# Altium PCB Einsy_Rambo.PcbDoc (part 2 of 4)
Units mil, origin at the board's own origin, x right, y up, seen from the top; angles counter-clockwise.
Board outline 5506.78 x 2795 mil, 6 copper layers (Top, GND, Signal Layer 1, Supply, Signal Layer 2, Bottom), stack 61.838 mil thick; 339 components, 226 nets, 1200 pads, 793 vias.
Unrouted connection lines stored in the file: 98.
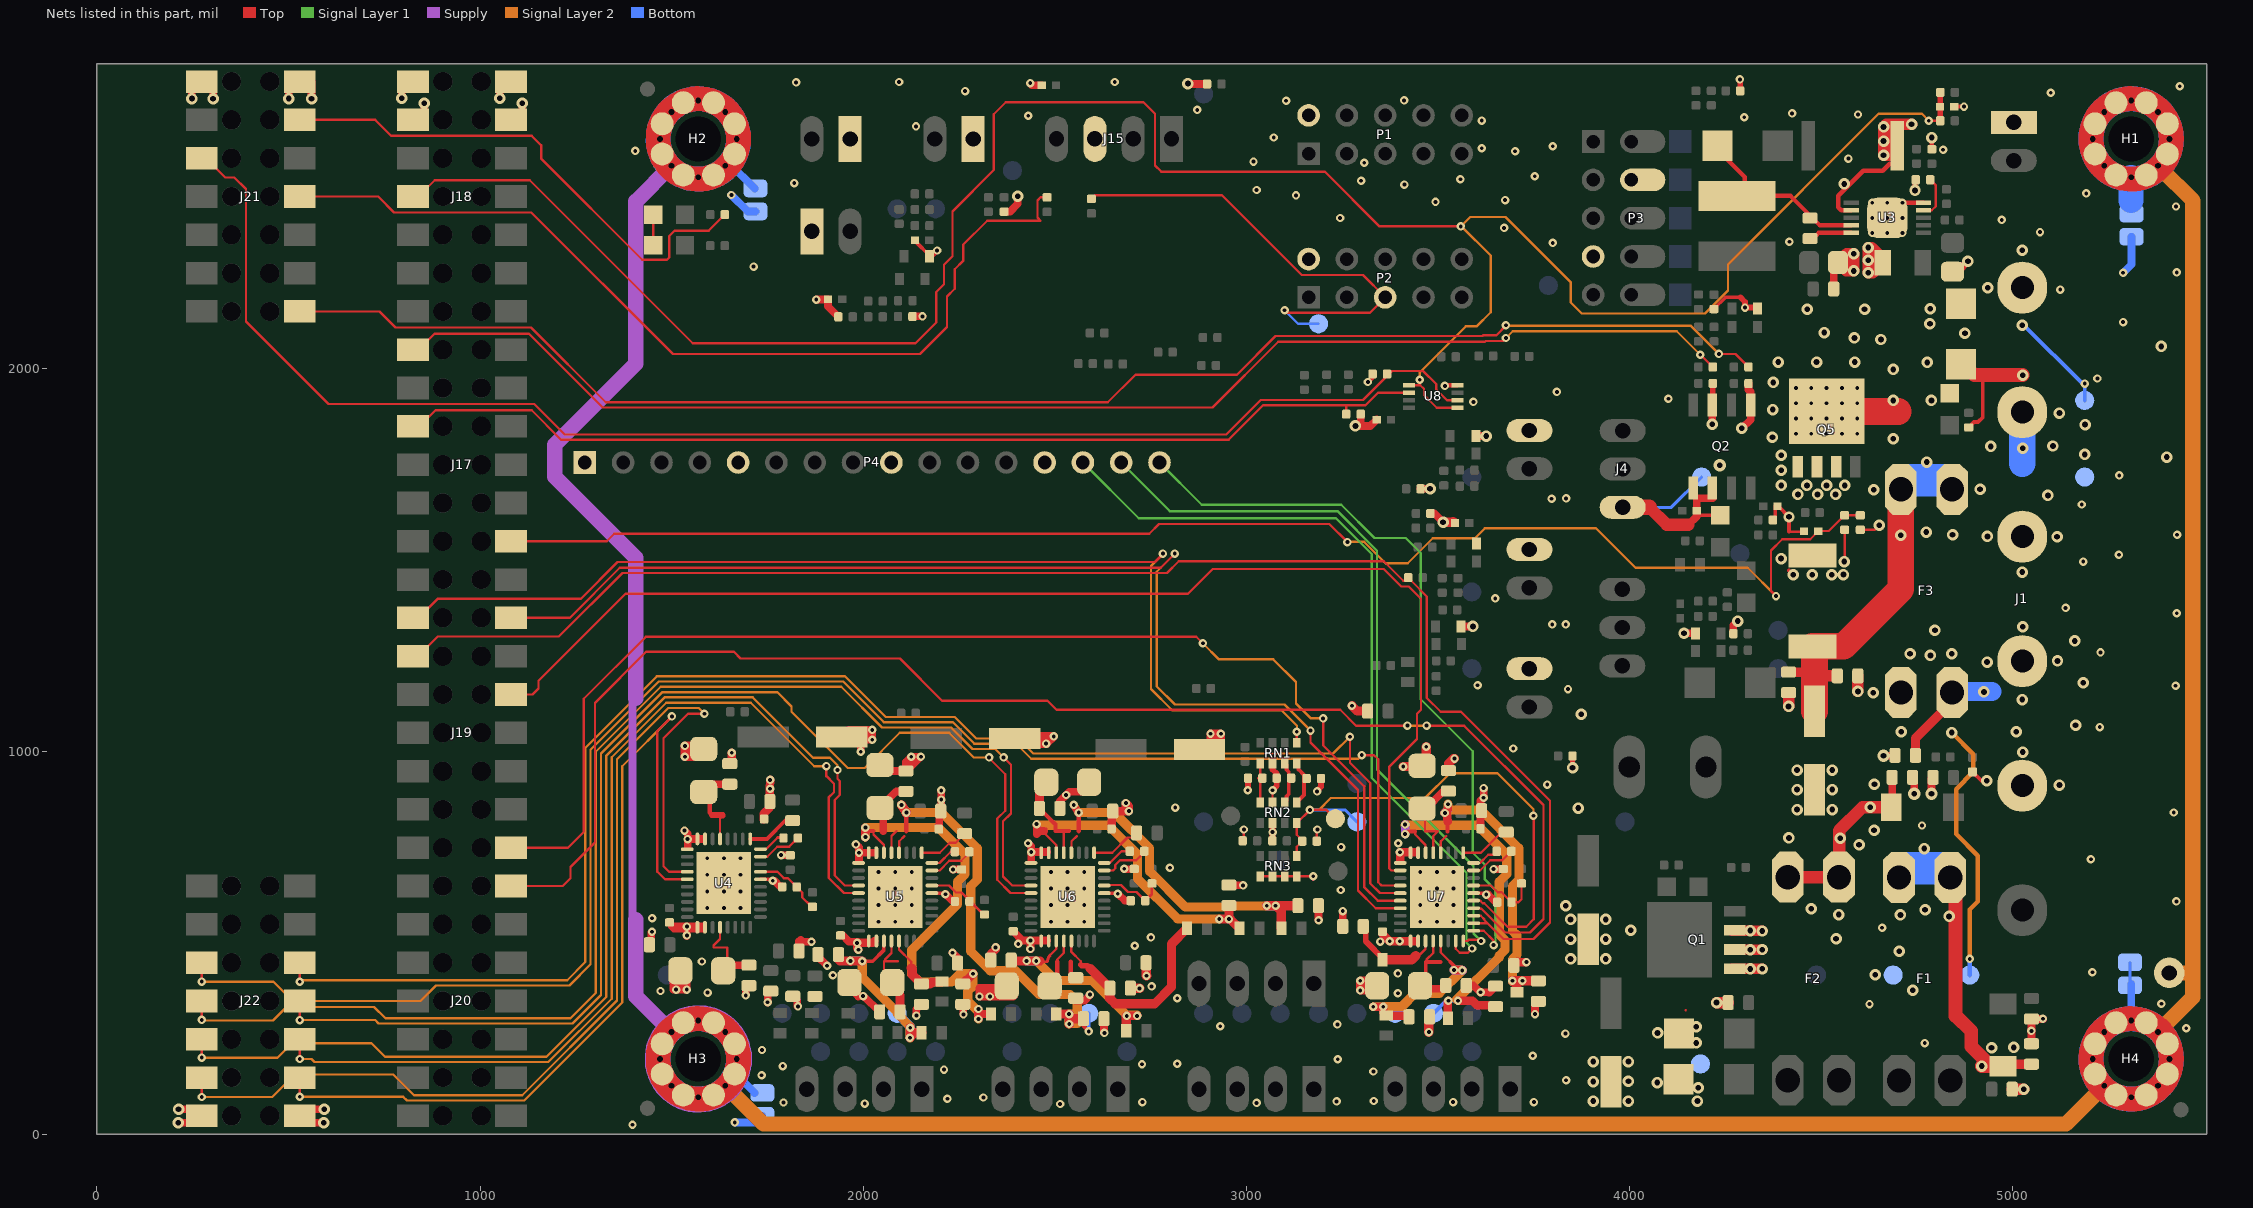
[diagram p6: the nets of this part, all layers, seen from the top]

## Via types
v1: diameter 22, hole 10, Top to Bottom, 296 vias
v2: diameter 22, hole 10, Top to Bottom, tented both sides, 255 vias
v3: diameter 30, hole 15, Top to Bottom, 204 vias
v4: diameter 30, hole 15, Top to Bottom, tented both sides, 30 vias
v5: diameter 32, hole 15, Top to Bottom, tented both sides, 4 vias
v6: diameter 29, hole 15, Top to Bottom, tented both sides, 4 vias

## Nets (pads, with @x,y where several pads share a name; then routed paths per layer and width w, separated by ;. In a path a pad name is that pad's centre, name@x,y a point inside that pad or via, vN(x,y) a via of type N, cw(c..) or ccw(c..) an arc to the next point about the centre after c; other vN are vias at no path point) (continued)
+12V3: C27.1 C62.1 C89.1 D7.C D10.C F3.2 J1.5 R55.2 R58.1 TP16.TP | length 1475.9
  Top w6: C62.1@4540.78,1194.77 C62.1@4543.01,1197 ; R55.2@4606.03,1578.25 4641.03,1578.25 v3(4652.78,1590)
  Top w10: R58.1@4886.03,1845.35 4899.93,1859.25 4910.03,1859.25 4922.53,1871.75 4922.53,1975.5 4929.03,1982
  Top w25: C89.1@4415.78,1206.77 4474.01,1206.77
  Top w30: 4483.78,1197 C62.1@4543.01,1197
  Top w36: D10.C@4866.03,2016.51 4900.54,1982 4929.03,1982 v3(5026.78,1982)
  Top w70: C27.1@4483.78,1104.36 4483.78,1197 4483.78,1268.41 D7.C@4478.11,1274.08 4558.86,1274.08 4708.78,1424 v3(4708.78,1564) F3.2@4708.78,1684 F3.2@4708.78,1686.51
  Bottom w70: 5025.78,1751 J1.5@5025.78,1885.5
  Bottom w85: F3.2@4732.39,1707.61 F3.2@4838.83,1707.61
  other v3: 4843.78,1565 4775.03,1572.25 5092.78,1668 4637.78,1683 4915.78,1684 4776.78,1755 5188.78,1775 5026.78,1791 4943.78,1796 5105.78,1797 5189.78,1853 5122.78,1883
ACTIVE: J21.11 R73.2 | length 1369.4
  Top w6: J21.11@529.33,2648.28 726.18,2648.28 767.91,2606.55 1134.84,2606.55 1159.45,2581.95 1159.45,2547.5 1423.69,2283.25 1488.03,2283.25 1494.03,2289.25 1494.03,2345.25 1508.03,2359.25 1597.28,2359.25 R73.2@1639.03,2401 R73.2@1645.78,2401
BED-HEAT: J17.10 R57.2 U8.6 | length 2723.4
  Top w6: J17.10@825,1848.28 842.13,1848.28 883.86,1890.02 1134.84,1890.02 1211.61,1813.25 2954.03,1813.25 3044.03,1903.25 3260.03,1903.25 ; R57.2@3261.03,1880.25 3261.03,1902.25 3260.03,1903.25 ; U8.6@3425.04,1936.1 3343.87,1936.1 3311.03,1903.25 3260.03,1903.25
BED-IN: C88.1 F3.1 J1.3 TP68.TP | length 1073.2
  Top w24: C88.1@4746.8,989.25 C88.1@4747.05,989.5 4747.03,1034.25 4842.78,1130 F3.1@4842.78,1154
  Signal Layer 2 w12: v3(4841.78,1049) 4898.29,992.49 4898.29,946.51 4853.03,901.25 4853.03,784.25 4909.78,727.5 4909.78,608 4888.78,587 v1(4888.78,458)
  Bottom w10: 4927.78,1137.5 4946.79,1156.51 4935.53,1145.25 4927.78,1137.5
  Bottom w12: TP68.TP@4888.78,416 v1(4888.78,458)
  Bottom w50: F3.1@4840.27,1154 4842.78,1156.51 4946.79,1156.51
  other v3: 4709.78,1051 5009.78,1051 5164.78,1068 5025.78,1135 4636.78,1153 4925.78,1155 5184.78,1179 4933.78,1233 5117.78,1236 4786.03,1250.25 4732.78,1255 4841.78,1255 5162.78,1288 4797.78,1316 5026.78,1325
BED-OUT: D10.A J1.6 LED6.C Q5.MB TP18.TP | length 538.2
  Top w70: Q5.MB@4513.78,1886.77 4702.05,1886.77 ; Q5.MB@4514.91,1887.77 Q5.MB@4594.91,1887.77
  Bottom w10: v3(5025.78,2112) 5030.72,2112 5182.72,1960 v1(5188.78,1960) TP18.TP@5188.78,1916
  other v1: 4434.91,1828.77 4474.91,1828.77 4514.91,1828.77 4554.91,1828.77 4594.91,1828.77 4434.91,1868.77 4474.91,1868.77 4514.91,1868.77 4554.91,1868.77 4594.91,1868.77 4434.91,1908.77 4474.91,1908.77 4514.91,1908.77 4554.91,1908.77 4594.91,1908.77 4434.91,1948.77 4474.91,1948.77 4514.91,1948.77 4554.91,1948.77 4594.91,1948.77
  other v3: 4688.78,1816 4688.78,1916 4788.78,1916 4688.78,1997 4777.78,2015 4388.78,2016 4488.78,2016 4588.78,2016 4656.78,2075 4587.78,2079 4876.03,2091.25 4508.78,2093 4784.78,2116 4935.78,2210 5025.78,2308
  other v4: 4373.78,1820 4374.78,1892 4375.78,1963
BED_MON: C79.1 J17.3 R55.1 R59.1 | length 3872.2
  Top w6: J17.3@1080.91,1548.28 1330.51,1548.28 1350.39,1568.17 2747.05,1568.17 2772.13,1593.25 3217.03,1593.25 v1(3264.03,1546.25) ; v2(4383.03,1405.25) 4370.03,1418.25 4370.03,1524.25 4399.47,1553.69 4472.17,1553.69 C79.1@4493.48,1575 4520.88,1575 R59.1@4562.03,1616.15 R55.1@4603.03,1616.15 R55.1@4606.03,1616.15
  Signal Layer 2 w6: v1@3264.78,1547 3307.78,1547 3363.78,1491 3421.78,1491 3487.03,1556.25 3597.03,1556.25 3623.03,1582.25 3913.03,1582.25 4016.03,1479.25 4309.03,1479.25 v2(4383.03,1405.25)
E0-DIR: J19.13 U7.7 | length 3215.7
  Top w6: J19.13@1080.91,1348.28 1233.86,1348.28 1364.83,1479.25 2777.03,1479.25 2813.61,1515.83 v2(2813.61,1516) ; v2(3167.78,1054) 3167.78,1023 3291.78,899 3291.78,637 3338.25,590.53 U7.7@3402.31,590.53
  Signal Layer 2 w6: v2(2813.61,1516) 2813.61,1515.83 2766.44,1468.66 2766.44,1169.34 2813.78,1122 3099.78,1122 v2(3167.78,1054)
E0-EN: J20.13 U7.22 | length 3866.4
  Top w6: J20.13@1080.71,648.28 1215.94,648.28 1236.22,668.56 1236.22,698.09 1300.2,762.06 1300.2,1126.42 1434.03,1260.25 1662.03,1260.25 1680.03,1242.25 2096.03,1242.25 2206.03,1132.25 2481.03,1132.25 2505.03,1108.25 3245.35,1108.25 3286.6,1067 v2(3420.78,1067) ; v2(3470.78,1067) 3568.78,1067 3775.78,860 3775.78,562 3740.78,527 3676.16,527 3614.07,589.09 3611.45,589.09 3610.02,590.53 U7.22@3593.25,590.53
  Signal Layer 2 w6: v2(3420.78,1067) v2(3470.78,1067)
E0-STEP: J19.1 U7.6 | length 3266.4
  Top w6: J19.1@1080.91,748.28 1229.33,748.28 1270.67,789.62 1270.67,1137.06 1432.86,1299.25 2869.53,1299.25 v2(2886.78,1282) ; v2(3200.78,1086) 3200.78,1016 3307.78,909 3307.78,646 3343.57,610.21 U7.6@3402.31,610.21
  Signal Layer 2 w6: v2(2886.78,1282) 2928.78,1240 3070.78,1240 3129.78,1181 3129.78,1125 3168.78,1086 v2(3200.78,1086)
E0_DIAG: J19.12 R78.1 U7.20 U7.21 | length 4083
  Top w6: J19.12@825,1248.28 838.58,1248.28 889.76,1299.47 1205.71,1299.47 1371.5,1465.25 2793.03,1465.25 2823.78,1496 3358.78,1496 3409.78,1445 3430.78,1445 3471.46,1404.32 3471.46,1139.32 3507.78,1103 3560.78,1103 3792.78,871 3792.78,553 3749.78,510 3671.16,510 3630,551.16 ; U7.20@3593.25,551.16 3630,551.16 ; U7.21@3593.25,570.84 3612.31,570.84 3622.16,561 3622.16,559 3630,551.16
E0_nCS: J19.9 U7.2 | length 3325.4
  Top w6: J19.9@1080.91,1148.28 1137.2,1148.28 1152.56,1163.64 1152.56,1184.31 1379.5,1411.25 2848.03,1411.25 2912.78,1476 3358.78,1476 3404.53,1430.25 3424.53,1430.25 3456.46,1398.32 3456.46,1108.68 3445.78,1098 3445.78,1032 3373.03,959.25 3373.03,694.75 3378.83,688.95 U7.2@3402.31,688.95
E-DCEN: P4.15 U7.18 | length 1938.4
  Top w6: U7.18@3566.68,504.9 3577.73,504.9 3580.71,507.87 v2@3609.25,507.87
  Signal Layer 1 w6: P4.15@2673.62,1753.94 2800.59,1626.97 3238.19,1626.97 3341.54,1523.62 3341.54,952.76 3593.5,700.79 3593.5,524.61 v2(3613.19,504.92)
E-DCIN: P4.16 U7.19 | length 1960.9
  Top w6: U7.19@3593.45,531.47 3620.1,531.47 3645.67,505.91 v2(3645.67,494.09)
  Signal Layer 1 w6: P4.16@2773.62,1753.94 2883.86,1643.7 3248.03,1643.7 3334.65,1557.09 3416.34,1557.09 3455.71,1517.72 3455.71,1135.83 3591.54,1000 3591.54,735.24 3623.03,703.74 3623.03,665.35 3650.59,637.8 3650.59,499.02 v2(3645.67,494.09)
E-DCO: P4.14 U7.17 | length 2062.7
  Top w6: U7.17@3546.99,504.9 3546.99,484.76 3557.34,474.41 3578.74,474.41 v2(3589.57,485.24)
  Signal Layer 1 w6: P4.14@2573.62,1753.94 2719.29,1608.27 3234.25,1608.27 3327.76,1514.76 3327.76,930.12 3574.8,683.07 3574.8,500 v2(3589.57,485.24)
E-REF-PWM: J19.14 RN1.1 | length 2871.5
  Top w6: J19.14@819.88,1328.99 888.78,1397.89 1262.79,1397.89 1358.91,1494 2761.78,1494 2782.61,1514.83 v2(2782.61,1516) ; v2(3131.78,1051) 3131.78,1022.38 RN1.1@3133.43,1022.35
  Signal Layer 2 w6: v2(2782.61,1516) 2782.61,1514.83 2751.19,1483.41 2751.19,1162.59 2806.78,1107 3092.28,1107 3132.78,1066.5 v2@3132.78,1054
FAN-0: J21.1 R21.1 | length 4007.4
  Top w6: J21.1@529.33,2148.28 737.79,2148.28 779.53,2106.55 1132.87,2106.55 1328.17,1911.25 2638.83,1911.25 2710.83,1983.25 2976.03,1983.25 3076.78,2084 3616.78,2084 3619.03,2086.25 3653.03,2086.25 v2@3678.03,2111.25 ; v1(4234.03,2037.25) 4276.93,2037.25 R21.1@4310.93,2003.25
  Signal Layer 2 w6: v2@3678.03,2111.25 4160.03,2111.25 v1(4234.03,2037.25)
  other v2: 3677.78,2112
FAN-1: J17.14 R48.1 | length 3610.8
  Top w6: J17.14@825,2048.28 839.37,2048.28 880.91,2089.82 1127.95,2089.82 1320.52,1897.25 2912.03,1897.25 3083.78,2069 3622.78,2069 3625.03,2071.25 3671.03,2071.25 v2@3678.03,2078.25 ; v1(4185.03,2035.25) 4185.93,2035.25 R48.1@4217.93,2003.25
  Signal Layer 2 w6: v2@3678.03,2078.25 3696.03,2096.25 4124.03,2096.25 v1(4185.03,2035.25)
  other v2: 3677.78,2079
FGND: "Net Tie1.1" "Net Tie2.1" "Net Tie3.1" "Net Tie4.1" H1.1 H2.1 H3.1 H4.1 pad.0 | length 13933.3
  Supply w20: 1406.78,561 1397.78,570 1397.78,1129 1406.78,1138
  Supply w40: 1406.78,561 1406.78,360.21 1492.1,274.88 H3.1@1499.88,267.1 ; 1406.78,1138 1406.78,1504.92 1194.88,1716.82 1194.88,1800.2 1406.78,2012.1 1406.78,2435.58 H2.1@1499.88,2528.68
  Supply w60: 1492.1,274.88 ccw(c1569.88,197.1) 1679.88,197.1 ; 1492.1,274.88 cw(c1569.88,197.1) 1679.88,197.1 ; 1492.1,274.88 cw(c1569.88,197.1) 1679.88,197.1 ; 1492.1,274.88 cw(c1569.88,197.1) 1679.88,197.1 ; 1492.1,274.88 cw(c1569.88,197.1) 1679.88,197.1 ; 1492.1,274.88 cw(c1569.88,197.1) 1679.88,197.1 ; 1492.1,274.88 cw(c1569.88,197.1) 1679.88,197.1 ; 1492.1,274.88 cw(c1569.88,197.1) 1679.88,197.1 ; 1492.1,274.88 cw(c1569.88,197.1) 1679.88,197.1 ; 1492.1,274.88 cw(c1569.88,197.1) 1517.72,293.95 ; 1492.1,274.88 cw(c1569.88,197.1) 1517.72,293.95 ; 1492.1,274.88 cw(c1569.88,197.1) 1517.72,293.95 ; 1492.1,274.88 cw(c1569.88,197.1) 1517.72,293.95 ; 1492.1,274.88 cw(c1569.88,197.1) 1517.72,293.95 ; 1492.1,274.88 cw(c1569.88,197.1) 1517.72,293.95 ; 1492.1,274.88 cw(c1569.88,197.1) 1517.72,293.95 ; 1492.1,274.88 cw(c1569.88,197.1) 1517.72,293.95 ; 1492.1,274.88 ccw(c1569.88,197.1) 1679.88,197.1 ; 1517.72,293.95 cw(c1569.88,197.1) 1679.88,197.1 ; 1517.72,293.95 cw(c1569.88,197.1) 1679.88,197.1 ; 1517.72,293.95 cw(c1569.88,197.1) 1679.88,197.1 ; 1517.72,293.95 cw(c1569.88,197.1) 1679.88,197.1 ; 1517.72,293.95 cw(c1569.88,197.1) 1679.88,197.1 ; 1517.72,293.95 cw(c1569.88,197.1) 1679.88,197.1 ; 1517.72,293.95 cw(c1569.88,197.1) 1679.88,197.1 ; 1517.72,293.95 cw(c1569.88,197.1) 1679.88,197.1
  Signal Layer 2 w20: 5470.13,910 5471.13,911
  Signal Layer 2 w40: H3.1@1639.88,127.1 1739.73,27.25 5140.19,27.25 H4.1@5240.04,127.1 ; H4.1@5380.04,267.1 5471.13,358.2 5471.13,413.64 ; 5387.2,2527.46 5387.2,2521.52 5471.13,2437.58 5471.13,911 5471.13,413.64 ; pad.0@5409.45,421.51 5463.26,421.51 5471.13,413.64
  Bottom w20: 1652.32,2533.65 1716.71,2469.25 ; 1667.18,157.63 1716.55,108.25 ; H4.1@5310.04,297.1 5310.04,392.72 ; 5310.04,2493.68 5311.03,2492.69
  Bottom w64.96: 5310.04,2437.9 5310.04,2493.68 H1.1@5310.04,2498.68
GND: "Net Tie1.2" "Net Tie2.2" "Net Tie3.2" "Net Tie4.2" C3.2 C4.2 C5.2 C17.2 C18.2 C19.2 C20.2 C21.2 C22.2 C23.1 C24.2 C25.2 C27.2 C30.2 C31.1 C32.1 C35.2 C36.1 C39.1 C41.1 C42.2 C43.2 C44.2 C45.2 C46.1 C47.2 C48.2 C49.2 C50.1 C51.1 C53.1 C54.1 C55.1 C56.2 C59.2 C60.2 C61.2 C62.2 C64.1 C65.2 C66.2 C71.1 C72.2 C73.1 C75.2 C76.2 C77.2 C78.2 C79.2 C80.2 C82.1 C83.2 C84.2 C85.2 C86.2 C87.2 C88.2 C89.2 C92.1 C93.1 C94.1 C95.1 C96.2 C97.2 C98.2 C99.1 C100.2 C101.2 C102.1 C103.2 C104.1 C105.1 C106.2 C107.2 C108.1 C109.2 C110.1 C111.1 C112.2 C113.1 C114.2 C115.2 C116.1 C117.2 C118.2 C119.1 C120.1 C121.2 C122.1 D2.A D5.A D7.A D8.A D12.A D14.A D34.A D35.A D37.A J1.2 J1.4 J2.1 J3.1 J6.1 J7.1 J13.1 J14.1 J15.3 J16.1 J18.11 J18.12 J18.13 J18.14 J21.13 J21.14 J22.1 J22.2 LED1.C LED7.C P1.2 P2.2 P3.4 P3.7 P4.1 P4.5 P4.9 P4.13 Q1.1 Q1.2 Q1.3 Q2.1 Q2.3 Q5.1 Q5.2 Q5.3 R7.2 R10.2 R13.1 R15.2 R17.2 R18.2 R22.2 R24.1 R25.2 R26.2 R43.1 R49.2 R50.2 R53.2 R57.1 R59.2 RN1.6 RN2.3 RN2.6 RN3.5 RN3.6 RN3.7 RN3.8 RT1.1 RV3.1 RV5.1 RV7.1 RV27.1 TP67.TP TP69.TP U3.5 U3.7 U3.11 U4.1 U4.11 U4.12 U4.24 U4.35 U4.36 U4.37 U5.1 U5.11 U5.12 U5.24 U5.35 U5.36 U5.37 U6.1 U6.11 U6.12 U6.24 U6.35 U6.36 U6.37 U7.1 U7.11 U7.12 U7.24 U7.35 U7.36 U7.37 U8.4 | length 9349.9
  Top w6: LED7.C@1451.78,2321 LED1.C@1451.78,2401 ; v2@1783.93,723.15 1785.78,725 v2(1785.78,729) ; C72.2@2694.78,618 2696.78,616 2696.78,610 C72.2@2696.78,602 ; v1@2992.97,797.94 2993.65,797.25 C48.2@2993.65,766.44 ; RN3.5@3036.5,673.5 RN3.6@3068.5,673.5 RN3.7@3100.25,673.5 RN3.8@3131.75,673.5 3132.17,673.92 3165.65,673.92 3174.78,664.79 v1(3174.78,674) ; v1@3068.46,898.63 v1(3068.76,898.33) 3068.5,898.08 RN2.3@3068.5,866.83 ; C20.2@3184.21,765.46 3184.21,794.3 v1(3185.88,795.97) ; v1@3184.21,896.28 v1(3185.03,895.47) ; C76.2@3650.87,602 C76.2@3660.78,602 ; 4146.72,323.75 4147.49,324.52 ; 4416.78,1573.25 4417.03,1573 C79.2@4456.08,1573 ; v3@4562.03,1496.25 R59.2@4562.03,1578.25
  Top w7: C83.2@3340.58,1860.2 C83.2@3343.09,1860.2
  Top w8: C43.2@4220.78,2154.5 4251.53,2185.25
  Top w9.5: U4.12@1586.78,532 1539.78,532 1504.78,532 1494.78,542 C94.1@1494.78,553.3 C94.1@1499.08,549 ; U4.12@1586.78,549 C94.1@1499.08,549 ; U4.12@1587.19,540.9 U4.11@1567.5,540.9 1539.78,540.9 1507.18,540.9 C94.1@1499.08,549 ; U4.24@1731.87,665.9 v2@1763.78,665.9 ; U5.24@2179.25,629.9 v2@2217.26,629.9 ; U6.24@2629.25,629.9 2658.97,629.9 v2@2662.78,626.09 ; U7.24@3593.25,629.9 3622.97,629.9 v2(3626.78,626.09)
  Top w10: C77.2@2135.33,2334.25 2135.33,2331.95 D37.A@2175.03,2292.25 ; C83.2@3340.58,1860.2 C83.2@3340.58,1866 ; 4251.53,2185.25 4290.03,2185.25 ; D35.A@4331.03,2156.25 D35.A@4334.5,2156.25 ; R53.2@4372.78,1604 4381.03,1612.25 4381.03,1640 4388.78,1640 v6(4416.78,1612) 4416.78,1573.25 ; 4416.78,1472 v3(4427.78,1461) ; RV27.1@4848.48,2683 v1(4873.78,2683) ; RT1.1@4896.03,946.35 4919.39,923 v3(4932.78,923)
  Top w11: v2@3518.56,1955.78 U8.4@3551.02,1955.78
  Top w11.5: 4545.03,2450.26 4545.03,2420.54 4553.2,2412.37 4554.18,2412.37 4554.29,2412.26 U3.7@4578.98,2412.26 ; v1(4712.83,2431.95) U3.5@4767.95,2431.95
  Top w12: v2(1785.78,729) v2@1786.08,728.7 ; v2(3317.78,1964) 3329.88,1976.1 R43.1@3329.88,1985 ; v3(3851.78,957) C17.2@3851.78,988 ; 4545.03,2450.26 4610.36,2515.59 4661.42,2515.59 4679.83,2534 ; v4(4745.78,2464) 4745.78,2490 C49.2@4747.78,2492 ; R24.1@4789.78,2571.9 v3(4789.78,2602)
  Top w15: D37.A@2173.5,2292.25 2175.03,2292.25 2177.03,2292.25 v1@2192.53,2307.75 ; v1(3004.03,898.25) 3004.65,898.87 C47.2@3004.65,929.83 ; C22.2@3068.46,766.44 3068.46,813.21 RN2.6@3068.5,813.26 ; v1@3068.46,898.63 3079.46,909.63 C21.2@3079.46,929.83 3079.46,941.82 3068.5,952.77 RN1.6@3068.5,968.77 ; v1@3184.21,896.28 3195.21,907.28 C19.2@3195.21,928.84 ; Q2.3@4216.78,1904.42 4218.03,1905.67 R50.2@4218.03,1960.25 ; v1(4288.78,2754) 4289.48,2753.3 C46.1@4289.48,2724 ; 4290.03,2185.25 4302.03,2173.25 v2(4302.03,2158.25) D35.A@4334.5,2158.25
  Top w20: v3(212.01,30.51) J22.2@273.62,30.51 ; v3(212.99,65.95) J22.2@274.61,65.95 ; v3(247.83,2703.8) J21.14@247.83,2748.28 ; v3(303.15,2703.54) J21.14@303.15,2748.03 ; v3(500.79,2703.8) J21.13@500.79,2748.28 ; J22.1@531.5,65.95 v3(593.11,65.95) ; J22.1@549.21,30.51 v3(591.93,30.51) ; v3(560.04,2703.54) J21.13@560.04,2748.03 ; v3(795.47,2704.58) J18.14@795.47,2748.28 ; J18.12@854.53,2648.28 v3(854.53,2691.99) ; v3(1051.38,2704.58) J18.13@1051.38,2748.28 ; J18.11@1110.43,2648.28 v3(1110.43,2691.99) ; C101.2@1442.01,495 1446.78,499.77 1446.78,527 v2(1448.78,529) ; v2(1533.78,793) 1541.78,785 v2(1541.78,771) ; v2@1539.78,518 1539.78,532 v2@1539.78,540.9 ; 1541.78,750 v2(1541.78,771) ; 1581.78,771 v2(1541.78,771) ; v2(1693.78,363) 1693.78,380.23 C102.1@1701.78,388.23 ; v2@1750.78,344 1750.78,366.23 C100.2@1758.78,374.23 ; v2(1763.87,662.09) 1768.69,662.09 1783.78,647 C96.2@1787.78,647 ; v2@1786.08,728.7 C95.1@1809.78,728.7 ; C98.2@1816.28,360.46 1828.03,348.71 v2@1828.03,334.25 ; C104.1@1832.55,479 1832.55,503.77 1837.03,508.25 1842.31,502.98 v2(1865.25,502.98) ; v1(1877.78,2179) 1878.28,2179.5 C120.1@1908.08,2179.5 1908.08,2161.51 RV3.1@1935.33,2134.25 ; C107.2@1882.26,461.02 C107.2@1882.26,464.02 ; C107.2@1882.26,469.25 C107.2@1882.26,464.02 ; v2(1906.03,440.25) C107.2@1882.26,464.02 ; C51.1@1940.78,519.3 1946.98,519.3 1963.03,503.25 1987.03,503.25 1984.35,500.57 v2(1984.35,500.02) ; R10.2@1953.78,394 1987.61,360.17 1988.44,361 v2(1999.78,361) 2002.01,361 C108.1@2043.01,320 ; v2(1981.16,757) 1989.16,749 v2(1989.16,735) ; 1989.16,714 v2(1989.16,735) ; v2(1993.78,999) C24.2@1993.78,1030 ; C24.2@1993.78,1044 C24.2@1993.78,1043 ; 2029.16,735 v2(1989.16,735) ; R7.2@2043.78,964 2059.01,948.77 C71.1@2111.78,948.77 ; RV5.1@2128.73,2135.25 v1(2155.03,2135.25) ; v1(2139.03,310.25) 2139.03,326.48 C106.2@2152.03,339.48 ; C54.1@2198.48,797 2198.48,839.93 C111.1@2202.55,844 2203.78,845.23 v2(2203.78,874) v2(2203.78,898) ; v2@2216.69,626.09 2232.78,610 C61.2@2236.78,610 ; v2(2233.27,474.02) 2246.55,460.73 C110.1@2246.55,447 ; v2(2234.78,691.5) 2235.78,692.5 C53.1@2252.93,692.5 ; C66.2@2260.03,339.48 2261.03,338.48 v1@2261.03,313.25 ; RV7.1@2368.03,2408.55 2383.39,2408.55 2403.78,2428.94 v3(2403.78,2449) ; C50.1@2391.78,530.3 2416.08,506 v2(2436.78,506) ; v2(2430.78,760) 2438.78,752 v2(2438.78,737) ; v1(2436.03,2744.25) 2436.03,2742.75 2440.28,2738.5 C122.1@2466.08,2738.5 ; v2@2436.78,483 v2(2436.78,506) ; 2438.78,714 v2(2438.78,737) ; U6.12@2479.78,506 v2(2436.78,506) ; U6.35@2479.78,737 v2(2438.78,737) ; C113.1@2513.55,851 2513.55,869.77 v2(2529.78,886) 2538.03,894.25 R15.2@2607.03,894.25 ; C116.1@2554.78,349.23 2577.94,349.23 2591.78,363.06 v2(2591.78,365) ; v2@2628.55,266.23 C65.2@2628.55,302 ; v2@2667.69,626.09 2683.78,610 C72.2@2696.78,610 ; v2@2681.78,692.5 C64.1@2702.93,692.5 ; v3@2848.78,2742 C44.2@2897.78,2742 ; C112.2@2954.78,650.77 2955.55,650 v2(2991.78,650) ; C75.2@3188.55,597 3188.78,596.77 v2(3188.78,559) ; C118.2@3252.01,543 v1(3252.01,582.77) ; v3(3285.03,1849.25) 3300.03,1849.25 ; R57.1@3298.93,1880.25 3298.93,1850.35 3300.03,1849.25 ; C83.2@3340.58,1866 3323.83,1849.25 3300.03,1849.25 ; C59.2@3455.02,1685.29 v3@3483.27,1685.29 ; C4.2@3480.78,1621 3490.78,1621 v3(3513.78,1598) ; D14.A@3561.24,1326 v3(3591.78,1326) ; C119.1@3574.55,389 3592.78,389 v2@3611.78,370 ; D5.A@3599.24,1823 v3(3626.78,1823) ; C73.1@3611.48,796 3611.48,870.7 v2(3619.78,879) v2(3619.78,904) ; v2(3611.78,371) 3633.14,371 3633.96,370.18 C80.2@3650.78,387 ; v2(3626.78,626.09) 3631.69,626.09 3651.78,606 C76.2@3654.78,606 ; v2(3645.78,692.5) 3670.58,692.5 C41.1@3670.78,692.7 ; v2(3753.78,314) 3753.78,338.23 C78.2@3762.78,347.23 ; v3(4142.78,1308) D34.A@4172.31,1308 ; v3(4216.78,1854) Q2.3@4216.78,1904.42 ; C42.2@4271.78,1307 4271.78,1329 v3(4282.78,1340) ; v3(4293.78,1843) 4316.78,1866 Q2.1@4316.78,1904.42 4316.78,1938.5 4311.03,1944.25 R49.2@4311.03,1960.25 ; C25.2@4533.55,2207 4533.55,2264.77 C45.2@4544.78,2276 ; v3(4561.03,1495.25) v3@4562.03,1496.25 ; v3@4596.55,1156.23 v3(4596.78,1156.46) ; v5(4663.28,988.5) 4692.51,988.5 C88.2@4693.51,989.5 ; C87.2@4739.55,932 4743.78,927.77 v5(4743.78,889) ; v5(4788.78,889) 4788.78,927.77 C86.2@4793.01,932 ; C35.2@4843.78,2252 4856.78,2252 v4(4884.03,2279.25) ; C85.2@5049.78,236.77 v2(5049.78,270) C84.2@5049.78,301.23 5080.55,301.23 v2(5079.78,302) ; v2@1522.28,378 1504.78,378 1504.78,409 R18.2@1522.28,426.5 ; v2@1522.28,378 R18.2@1522.28,426.5 ; v2@1522.28,378 v2(1539.78,378) 1539.78,410 R18.2@1522.78,427 R18.2@1522.28,426.5 ; C24.2@1950.14,1043 C24.2@1944.14,1037 1951.14,1030 C24.2@1993.78,1030 ; C24.2@1950.14,1043 1963.14,1056 v2(2023.78,1056) 2023.78,1043 ; C24.2@1950.14,1043 C24.2@1993.78,1043 ; C24.2@1993.78,1030 C24.2@1993.78,1043 ; C24.2@1993.78,1030 v2(2023.78,1030) 2023.78,1043 ; C24.2@1993.78,1043 2023.78,1043 ; C71.1@2111.78,948.77 2111.78,972 v2(2125.78,986) v2(2150.78,986) 2113.55,948.77 C71.1@2111.78,948.77
  Top w22: R17.2@1588.78,1001 R17.2@1583.78,1006 ; R17.2@1591.78,1014 R17.2@1583.78,1006 ; C99.1@1651.78,967.77 C99.1@1659.78,975.77 ; C99.1@1657.03,976.02 v2(1657.03,996.25) ; C92.1@1740.48,822 1740.48,837.36 1756.55,853.44 C105.1@1756.55,869 1756.78,869.23 1756.78,902 v2(1757.03,925.25) ; v2(1987.78,482) 1984.35,485.43 v2(1984.35,500.02) 2024.81,500.02 2028.78,504 ; C110.1@2246.55,447 C110.1@2246.78,446.77 ; C115.2@2333.01,455 2333.01,470.23 2345.78,483 v2(2345.78,488) ; R22.2@2376.78,387 2370.78,381 2303.78,381 v2(2303.78,360) v2(2330.78,360) R22.2@2391.78,360 ; C55.1@2648.48,797 2648.48,840.93 C32.1@2651.55,844 v2(2693.78,844) 2693.78,857 v2(2685.78,865) v2@2685.78,851 ; C5.2@2906.78,991 v2(2906.78,1046) 2920.28,1046 ; C5.2@2933.78,990 C5.2@2933.78,1015 ; C39.1@3355.78,528.3 3355.78,523 v2(3374.78,504) v2(3400.78,504) 3441.78,504 ; v2(3401.25,736.53) v2@3401.78,736.53 ; 3401.78,715 v2@3401.78,736.53 ; 3442.25,736.53 v2@3401.78,736.53 ; C31.1@3698.55,441 3708.55,451 3709.72,449.83 v2(3731.48,449.83) ; 1534.78,1001 R17.2@1578.78,1001 ; 1534.78,1001 v2(1534.78,1014) 1575.78,1014 R17.2@1583.78,1006 ; 1534.78,1001 v2(1534.78,986) 1563.78,986 R17.2@1578.78,1001 ; R17.2@1578.78,1001 R17.2@1583.78,1006 ; 2920.28,1046 2920.28,1028.5 C5.2@2933.78,1015 ; 2920.28,1046 v2(2933.78,1046) C5.2@2933.78,1015 ; 3297.78,389 3316.78,389 R26.2@3329.78,376 ; 3297.78,389 v2(3297.78,376) R26.2@3329.78,376 ; 3297.78,389 v2(3297.78,401) 3328.78,401 R26.2@3341.78,388 R26.2@3329.78,376 ; C109.2@2396.14,1032 2403.14,1039 v2(2497.78,1039) 2478.78,1020 v2(2477.78,1020) 2408.14,1020 C109.2@2396.14,1032